# Altium PCB qfc.PcbDoc (part 10 of 13) (continued)
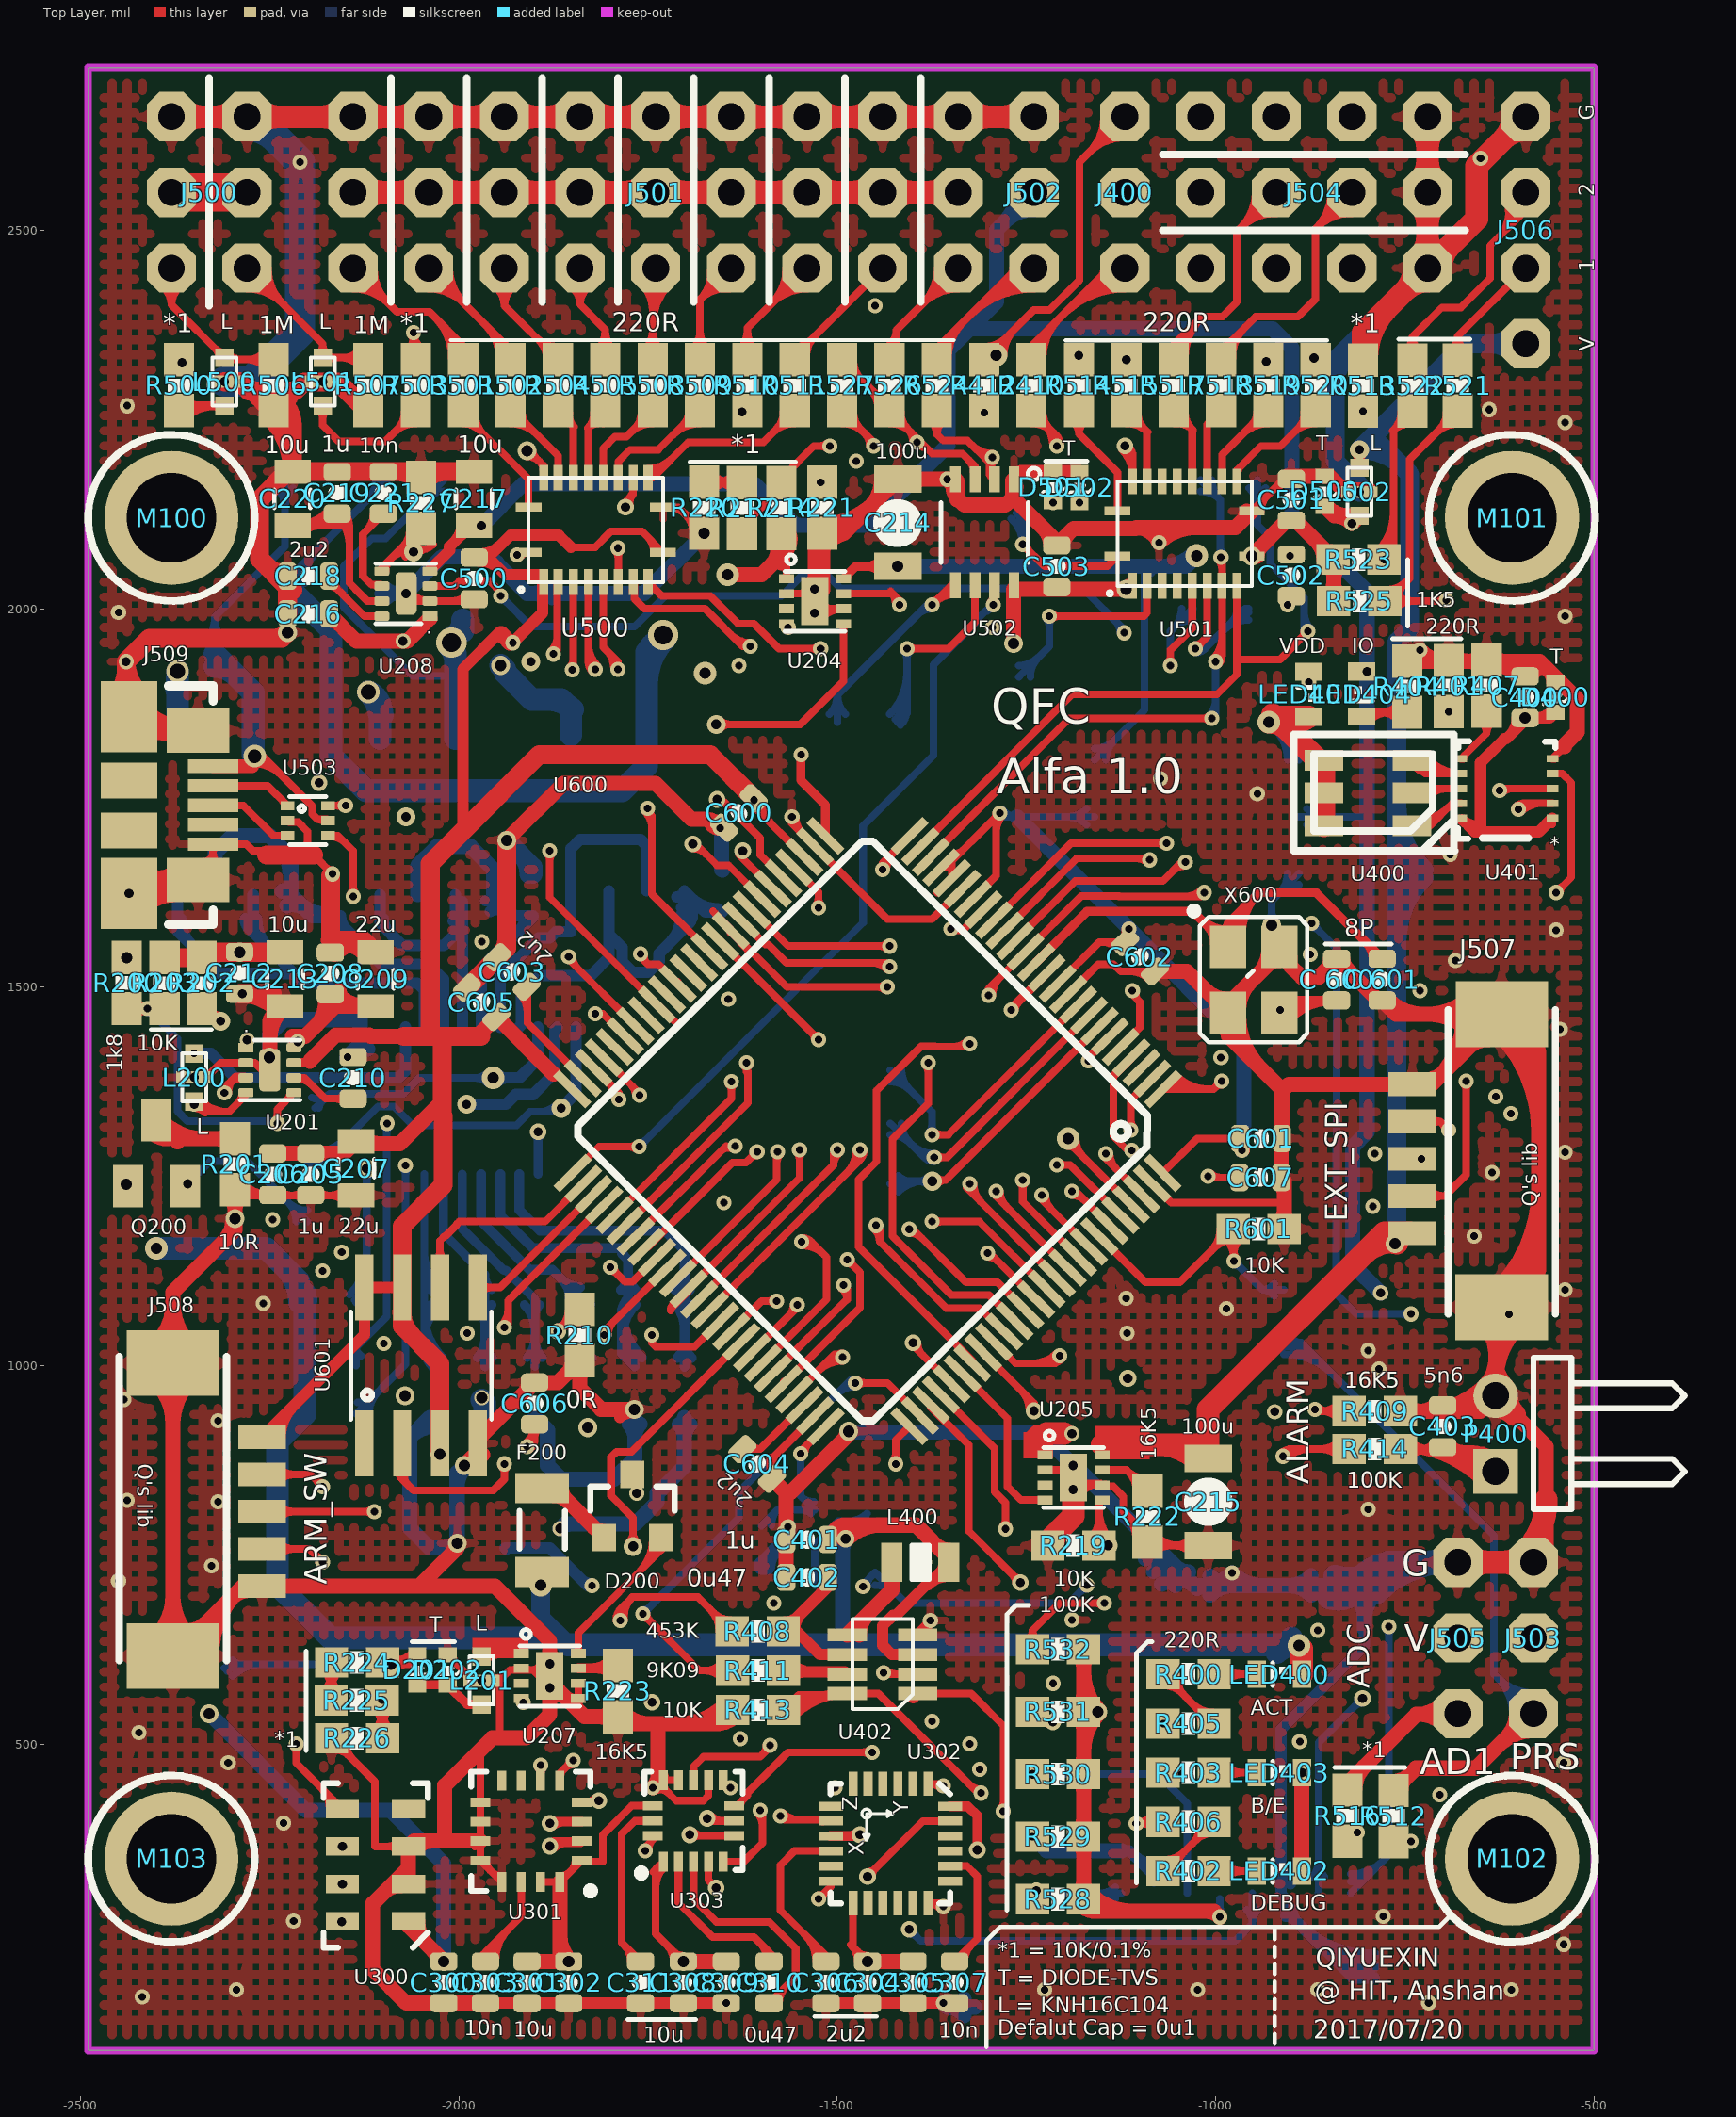
[diagram p0: Top Layer view]
## Nets (pads, with @x,y where several pads share a name; then routed paths per layer and width w, separated by ;. In a path a pad name is that pad's centre, name@x,y a point inside that pad or via, vN(x,y) a via of type N, cw(c..) or ccw(c..) an arc to the next point about the centre after c; other vN are vias at no path point) (continued)
  Mid-Layer 1 w10: v1(-1190,1230) -1170,1210 v1(-792,1210) ; v1(-695,2011) v1@-691,2007 ; v1@-1190,1225 cw(c-1190,1212.93) -1181.46,1221.46 ; v1@-1190,1225 cw(c-1190,1212.93) -1181.46,1221.46 ; v1@-1190,1225 cw(c-1190,1212.93) -1181.46,1221.46 ; v1@-1190,1225 cw(c-1190,1212.93) -1181.46,1221.46 ; v1@-1185,1230 ccw(c-1172.93,1230) -1181.46,1221.46 ; v1@-1185,1230 ccw(c-1172.93,1230) -1181.46,1221.46 ; v1@-1185,1230 ccw(c-1172.93,1230) -1181.46,1221.46 ; v1@-1185,1230 ccw(c-1172.93,1230) -1181.46,1221.46 ; -804.07,1210 cw(c-804.07,1197.93) v1@-795.54,1206.46 ; -804.07,1210 ccw(c-804.07,1222.07) v1@-795.54,1213.54 ; -804.07,1210 cw(c-804.07,1197.93) v1@-795.54,1206.46 ; -804.07,1210 ccw(c-804.07,1222.07) v1@-795.54,1213.54 ; -804.07,1210 cw(c-804.07,1197.93) v1@-795.54,1206.46 ; -804.07,1210 ccw(c-804.07,1222.07) v1@-795.54,1213.54 ; -804.07,1210 cw(c-804.07,1197.93) v1@-795.54,1206.46 ; -804.07,1210 ccw(c-804.07,1222.07) v1@-795.54,1213.54
  Mid-Layer 2 w10: v1(-792,1210) -758,1244 -758,1868.46 -695,1931.46 v1(-695,2011) ; v1@-792,1215 ccw(c-792,1227.07) -783.46,1218.54 ; v1@-792,1215 ccw(c-792,1227.07) -783.46,1218.54 ; v1@-792,1215 ccw(c-792,1227.07) -783.46,1218.54 ; v1@-792,1215 ccw(c-792,1227.07) -783.46,1218.54 ; v1@-787,1210 cw(c-774.93,1210) -783.46,1218.54 ; v1@-787,1210 cw(c-774.93,1210) -783.46,1218.54 ; v1@-787,1210 cw(c-774.93,1210) -783.46,1218.54 ; v1@-787,1210 cw(c-774.93,1210) -783.46,1218.54 ; v1@-698.54,2007.46 cw(c-707.07,1998.93) -695,1998.93 ; v1@-698.54,2007.46 cw(c-707.07,1998.93) -695,1998.93 ; v1@-698.54,2007.46 cw(c-707.07,1998.93) -695,1998.93 ; v1@-698.54,2007.46 cw(c-707.07,1998.93) -695,1998.93 ; -695,1998.93 cw(c-682.93,1998.93) v1@-691.46,2007.46 ; -695,1998.93 cw(c-682.93,1998.93) v1@-691.46,2007.46 ; -695,1998.93 cw(c-682.93,1998.93) v1@-691.46,2007.46 ; -695,1998.93 cw(c-682.93,1998.93) v1@-691.46,2007.46
NetR522_2: R522.2 R523.1 U600.96 | length 2629.3
  Top Layer w10: v1(-1210,1265) -1192.29,1265 U600.96@-1125.91,1198.62 ; v1(-777.54,2065) -765,2077.54 -765,2236 R522.2@-740,2261 ; v1@-1206.46,1261.46 cw(c-1197.93,1252.93) -1197.93,1265 ; v1@-1206.46,1261.46 cw(c-1197.93,1252.93) -1197.93,1265 ; v1@-1206.46,1261.46 cw(c-1197.93,1252.93) -1197.93,1265 ; v1@-1206.46,1261.46 cw(c-1197.93,1252.93) -1197.93,1265 ; v1@-1206.46,1268.54 ccw(c-1197.93,1277.07) -1197.93,1265 ; v1@-1206.46,1268.54 ccw(c-1197.93,1277.07) -1197.93,1265 ; v1@-1206.46,1268.54 ccw(c-1197.93,1277.07) -1197.93,1265 ; v1@-1206.46,1268.54 ccw(c-1197.93,1277.07) -1197.93,1265 ; R523.1@-786.14,2075.61 ccw(c-837.18,2126.65) -765,2126.65 ; R523.1@-786.14,2075.61 ccw(c-837.18,2126.65) -765,2126.65 ; R523.1@-786.14,2075.61 ccw(c-837.18,2126.65) -765,2126.65 ; R523.1@-786.14,2075.61 ccw(c-837.18,2126.65) -765,2126.65 ; R523.1@-779.07,2068.54 ccw(c-813.04,2102.51) -765,2102.51 ; R523.1@-779.07,2068.54 ccw(c-813.04,2102.51) -765,2102.51 ; R523.1@-779.07,2068.54 ccw(c-813.04,2102.51) -765,2102.51 ; R523.1@-779.07,2068.54 ccw(c-813.04,2102.51) -765,2102.51 ; R523.1@-777.54,2070 ccw(c-777.54,2082.07) R523.1@-769,2073.54 ; R523.1@-777.54,2070 ccw(c-777.54,2082.07) R523.1@-769,2073.54 ; R523.1@-777.54,2070 ccw(c-777.54,2082.07) R523.1@-769,2073.54 ; R523.1@-772.54,2065 cw(c-760.46,2065) R523.1@-769,2073.54 ; R523.1@-772.54,2065 cw(c-760.46,2065) R523.1@-769,2073.54 ; R523.1@-772.54,2065 cw(c-760.46,2065) R523.1@-769,2073.54 ; -766,2235 cw(c-743.88,2212.88) R522.2@-741.26,2244.05 ; -766,2235 cw(c-743.88,2212.88) R522.2@-741.26,2244.05 ; -766,2235 cw(c-743.88,2212.88) R522.2@-741.26,2244.05 ; -766,2235 cw(c-743.88,2212.88) R522.2@-741.26,2244.05 ; -764.19,2236.81 ccw(c-786.38,2259) R522.2@-755,2259 ; -764.19,2236.81 ccw(c-786.38,2259) R522.2@-755,2259 ; -764.19,2236.81 ccw(c-786.38,2259) R522.2@-755,2259 ; -764.19,2236.81 ccw(c-786.38,2259) R522.2@-755,2259
  Mid-Layer 1 w10: v1(-1210,1265) -1202.85,1257.85 -1082.15,1257.85 -1052.3,1228 -842,1228 v1(-790,1280) ; v1@-1206.46,1268.54 ccw(c-1180.67,1294.33) -1180.67,1257.85 ; v1@-1206.46,1268.54 ccw(c-1180.67,1294.33) -1180.67,1257.85 ; v1@-1206.46,1268.54 ccw(c-1180.67,1294.33) -1180.67,1257.85 ; v1@-1206.46,1268.54 ccw(c-1180.67,1294.33) -1180.67,1257.85 ; -798.54,1271.46 cw(c-790,1262.93) v1@-790,1275 ; -798.54,1271.46 ccw(c-807.07,1280) v1@-795,1280 ; -798.54,1271.46 cw(c-790,1262.93) v1@-790,1275 ; -798.54,1271.46 ccw(c-807.07,1280) v1@-795,1280 ; -798.54,1271.46 cw(c-790,1262.93) v1@-790,1275 ; -798.54,1271.46 ccw(c-807.07,1280) v1@-795,1280 ; -798.54,1271.46 cw(c-790,1262.93) v1@-790,1275 ; -798.54,1271.46 ccw(c-807.07,1280) v1@-795,1280
  Mid-Layer 2 w10: v1(-790,1280) -790,1895.89 -778,1907.89 -778,1926.11 -790,1938.11 -790,2047.46 -775,2062.46 v1(-777.54,2065) ; v1@-793.54,1283.54 ccw(c-802.07,1292.07) -790,1292.07 ; v1@-793.54,1283.54 ccw(c-802.07,1292.07) -790,1292.07 ; v1@-793.54,1283.54 ccw(c-802.07,1292.07) -790,1292.07 ; v1@-793.54,1283.54 ccw(c-802.07,1292.07) -790,1292.07 ; -790,1292.07 ccw(c-777.93,1292.07) v1@-786.46,1283.54 ; -790,1292.07 ccw(c-777.93,1292.07) v1@-786.46,1283.54 ; -790,1292.07 ccw(c-777.93,1292.07) v1@-786.46,1283.54 ; -790,1292.07 ccw(c-777.93,1292.07) v1@-786.46,1283.54 ; -787.46,2050 ccw(c-799.76,2062.3) v1@-782.5,2064.4 ; -787.46,2050 ccw(c-799.76,2062.3) v1@-782.5,2064.4 ; -787.46,2050 ccw(c-799.76,2062.3) v1@-782.5,2064.4 ; -787.46,2050 ccw(c-799.76,2062.3) v1@-782.5,2064.4
NetR527_1: R527.1 U600.64 | length 1997.5
  Top Layer w10: U600.64@-1668.6,1073.12 -1470,1271.72 v1(-1470,1285) ; R527.1@-1493.71,2261.54 -1452,2219.83 v1(-1452,2215.04) ; R527.1@-1493.71,2244.54 cw(c-1493.71,2203.5) -1464.68,2232.52 ; R527.1@-1493.71,2244.54 cw(c-1493.71,2203.5) -1464.68,2232.52 ; R527.1@-1493.71,2244.54 cw(c-1493.71,2203.5) -1464.68,2232.52 ; R527.1@-1493.71,2244.54 cw(c-1493.71,2203.5) -1464.68,2232.52 ; -1487.93,1253.79 ccw(c-1519.14,1285) v1@-1475,1285 ; -1487.93,1253.79 ccw(c-1519.14,1285) v1@-1475,1285 ; -1487.93,1253.79 ccw(c-1519.14,1285) v1@-1475,1285 ; -1487.93,1253.79 ccw(c-1519.14,1285) v1@-1475,1285 ; R527.1@-1478.71,2259.54 ccw(c-1447.32,2259.54) -1469.51,2237.34 ; R527.1@-1478.71,2259.54 ccw(c-1447.32,2259.54) -1469.51,2237.34 ; R527.1@-1478.71,2259.54 ccw(c-1447.32,2259.54) -1469.51,2237.34 ; R527.1@-1478.71,2259.54 ccw(c-1447.32,2259.54) -1469.51,2237.34 ; v1@-1473.54,1281.46 cw(c-1482.07,1272.93) -1470,1272.93 ; v1@-1473.54,1281.46 cw(c-1482.07,1272.93) -1470,1272.93 ; v1@-1473.54,1281.46 cw(c-1482.07,1272.93) -1470,1272.93 ; -1470.86,1270.86 ccw(c-1485,1285) v1@-1465,1285 ; -1470.86,1270.86 ccw(c-1485,1285) v1@-1465,1285 ; -1470.86,1270.86 ccw(c-1485,1285) v1@-1465,1285 ; -1470.86,1270.86 ccw(c-1485,1285) v1@-1465,1285 ; -1470,1272.93 cw(c-1457.93,1272.93) v1@-1466.46,1281.46 ; -1470,1272.93 cw(c-1457.93,1272.93) v1@-1466.46,1281.46 ; -1470,1272.93 cw(c-1457.93,1272.93) v1@-1466.46,1281.46 ; -1463.92,2231.76 cw(c-1480.64,2215.04) v1@-1457,2215.04 ; -1463.92,2231.76 cw(c-1480.64,2215.04) v1@-1457,2215.04 ; -1463.92,2231.76 cw(c-1480.64,2215.04) v1@-1457,2215.04 ; -1463.92,2231.76 cw(c-1480.64,2215.04) v1@-1457,2215.04
  Mid-Layer 2 w10: v1(-1470,1285) -1466,1289 -1466,2159 -1450,2175 -1450,2213.04 v1(-1452,2215.04) ; v1@-1473.54,1288.54 ccw(c-1491.73,1306.73) -1466,1306.73 ; v1@-1473.54,1288.54 ccw(c-1491.73,1306.73) -1466,1306.73 ; v1@-1473.54,1288.54 ccw(c-1491.73,1306.73) -1466,1306.73 ; v1@-1473.54,1288.54 ccw(c-1491.73,1306.73) -1466,1306.73 ; v1@-1455.54,2211.51 cw(c-1468.9,2198.14) -1450,2198.14 ; v1@-1455.54,2211.51 cw(c-1468.9,2198.14) -1450,2198.14 ; v1@-1455.54,2211.51 cw(c-1468.9,2198.14) -1450,2198.14 ; v1@-1455.54,2211.51 cw(c-1468.9,2198.14) -1450,2198.14
NetR528_1: R528.1 U504.1 U600.78 | length 1268.9
  Top Layer w10: U600.78@-1376.56,947.96 -1376.56,945.13 -1326.6,895.17 -1326.6,781.6 v2(-1258,713) ; U600.78@-1358.59,930.99 ccw(c-1349.35,930.99) -1355.88,924.46 ; U600.78@-1358.59,930.99 ccw(c-1349.35,930.99) -1355.88,924.46 ; U600.78@-1358.59,930.99 ccw(c-1349.35,930.99) -1355.88,924.46 ; U600.78@-1358.59,930.99 ccw(c-1349.35,930.99) -1355.88,924.46 ; -1268.24,723.24 cw(c-1278.49,713) v2@-1264,713 ; -1268.24,723.24 ccw(c-1258,733.49) v2@-1258,719 ; -1268.24,723.24 cw(c-1278.49,713) v2@-1264,713 ; -1268.24,723.24 ccw(c-1258,733.49) v2@-1258,719 ; -1268.24,723.24 cw(c-1278.49,713) v2@-1264,713 ; -1268.24,723.24 ccw(c-1258,733.49) v2@-1258,719
  Mid-Layer 2 w10: v2@-1264.97,710 -1264.97,450.47 -1217,402.5 -1217,326 v2(-1237,306) ; -1264.97,681.69 cw(c-1226.69,681.69) v2@-1253.76,708.76 ; -1264.97,681.69 cw(c-1226.69,681.69) v2@-1253.76,708.76 ; -1264.97,681.69 cw(c-1226.69,681.69) v2@-1253.76,708.76 ; v2@-1237,312 ccw(c-1237,326.49) -1226.76,316.24 ; v2@-1237,312 ccw(c-1237,326.49) -1226.76,316.24 ; v2@-1237,312 ccw(c-1237,326.49) -1226.76,316.24 ; v2@-1231,306 cw(c-1216.51,306) -1226.76,316.24 ; v2@-1231,306 cw(c-1216.51,306) -1226.76,316.24 ; v2@-1231,306 cw(c-1216.51,306) -1226.76,316.24
  Bottom Layer w10: v2(-1237,306) -1234,303 U504.1@-1124.69,303 ; v2@-1232.76,310.24 ccw(c-1215.27,327.73) -1215.27,303 ; v2@-1232.76,310.24 ccw(c-1215.27,327.73) -1215.27,303 ; v2@-1232.76,310.24 ccw(c-1215.27,327.73) -1215.27,303 ; -1151.25,303 cw(c-1151.25,276.44) U504.1@-1132.47,295.22 ; -1151.25,303 ccw(c-1151.25,329.56) U504.1@-1132.47,310.78 ; -1151.25,303 cw(c-1151.25,276.44) U504.1@-1132.47,295.22 ; -1151.25,303 ccw(c-1151.25,329.56) U504.1@-1132.47,310.78 ; -1151.25,303 cw(c-1151.25,276.44) U504.1@-1132.47,295.22 ; -1151.25,303 ccw(c-1151.25,329.56) U504.1@-1132.47,310.78
NetR529_1: R529.1 U504.2 U600.79 | length 1143.4
  Top Layer w10: U600.79@-1363.13,961.4 -1292,890.27 -1292,832.96 -1277.66,818.62 v1(-1277.66,784.16) ; v1@-1281.2,787.69 ccw(c-1289.73,796.23) -1277.66,796.23 ; v1@-1281.2,787.69 ccw(c-1289.73,796.23) -1277.66,796.23 ; v1@-1281.2,787.69 ccw(c-1289.73,796.23) -1277.66,796.23 ; v1@-1281.2,787.69 ccw(c-1289.73,796.23) -1277.66,796.23 ; -1277.66,796.23 ccw(c-1265.59,796.23) v1@-1274.13,787.69 ; -1277.66,796.23 ccw(c-1265.59,796.23) v1@-1274.13,787.69 ; -1277.66,796.23 ccw(c-1265.59,796.23) v1@-1274.13,787.69 ; -1277.66,796.23 ccw(c-1265.59,796.23) v1@-1274.13,787.69
  Mid-Layer 2 w10: v1@-1281.97,779.85 -1281.97,443.43 -1241.97,403.43 v1(-1241.97,377.5) ; -1281.97,761.69 cw(c-1255.19,761.69) v1@-1274.13,780.62 ; -1281.97,761.69 cw(c-1255.19,761.69) v1@-1274.13,780.62 ; -1281.97,761.69 cw(c-1255.19,761.69) v1@-1274.13,780.62 ; -1281.97,761.69 cw(c-1255.19,761.69) v1@-1274.13,780.62 ; v1@-1245.5,381.03 ccw(c-1254.04,389.57) -1241.97,389.57 ; v1@-1245.5,381.03 ccw(c-1254.04,389.57) -1241.97,389.57 ; v1@-1245.5,381.03 ccw(c-1254.04,389.57) -1241.97,389.57 ; v1@-1245.5,381.03 ccw(c-1254.04,389.57) -1241.97,389.57 ; -1241.97,389.57 ccw(c-1229.9,389.57) v1@-1238.43,381.03 ; -1241.97,389.57 ccw(c-1229.9,389.57) v1@-1238.43,381.03 ; -1241.97,389.57 ccw(c-1229.9,389.57) v1@-1238.43,381.03 ; -1241.97,389.57 ccw(c-1229.9,389.57) v1@-1238.43,381.03
  Bottom Layer w15: -1124,359 -1114.19,359 -1081.39,326.2 U504.2@-1081.39,319 ; -1107.51,352.32 ccw(c-1081.39,378.44) U504.2@-1081.39,341.5 ; -1107.51,352.32 ccw(c-1081.39,378.44) U504.2@-1081.39,341.5 ; -1107.51,352.32 ccw(c-1081.39,378.44) U504.2@-1081.39,341.5
  Bottom Layer w20: v1(-1241.97,377.5) -1223.47,359 -1124,359
NetR530_1: R530.1 U504.3 U600.83 | length 1537.5
  Top Layer w10: U600.83@-1307.26,1017.26 v2@-1240,949.99 ; -1257.31,967.3 cw(c-1284.61,940) v2@-1246,940 ; -1257.31,967.3 cw(c-1284.61,940) v2@-1246,940 ; -1257.31,967.3 cw(c-1284.61,940) v2@-1246,940 ; -1257.31,967.3 cw(c-1284.61,940) v2@-1246,940
  Mid-Layer 2 w10: v2(-1241.97,460) -1237.68,464.29 -1237.68,516.25 -1238,516.57 -1238,588.11 -1232,594.11 -1232,932 v2(-1240,940) ; v2@-1246.21,464.24 ccw(c-1266.8,484.83) -1237.68,484.83 ; v2@-1246.21,464.24 ccw(c-1266.8,484.83) -1237.68,484.83 ; v2@-1246.21,464.24 ccw(c-1266.8,484.83) -1237.68,484.83 ; v2@-1246.21,464.24 ccw(c-1266.8,484.83) -1237.68,484.83 ; v2@-1244.24,935.76 cw(c-1273.8,906.2) -1232,906.2 ; v2@-1244.24,935.76 cw(c-1273.8,906.2) -1232,906.2 ; v2@-1244.24,935.76 cw(c-1273.8,906.2) -1232,906.2 ; v2@-1244.24,935.76 cw(c-1273.8,906.2) -1232,906.2 ; v2@-1237.17,942.83 cw(c-1249.66,930.34) -1232,930.34 ; v2@-1237.17,942.83 cw(c-1249.66,930.34) -1232,930.34 ; v2@-1237.17,942.83 cw(c-1249.66,930.34) -1232,930.34 ; v2@-1237.17,942.83 cw(c-1249.66,930.34) -1232,930.34
  Bottom Layer w10: v2(-1241.97,460) -1076.11,460 -1037.32,421.2 U504.3@-1037.32,303 ; v2@-1237.73,455.76 cw(c-1227.48,445.51) -1227.48,460 ; v2@-1237.73,455.76 cw(c-1227.48,445.51) -1227.48,460 ; v2@-1237.73,455.76 cw(c-1227.48,445.51) -1227.48,460 ; v2@-1237.73,455.76 cw(c-1227.48,445.51) -1227.48,460 ; v2@-1237.73,464.24 ccw(c-1227.48,474.48) -1227.48,460 ; v2@-1237.73,464.24 ccw(c-1227.48,474.48) -1227.48,460 ; v2@-1237.73,464.24 ccw(c-1227.48,474.48) -1227.48,460 ; v2@-1237.73,464.24 ccw(c-1227.48,474.48) -1227.48,460 ; U504.3@-1045.09,324.78 ccw(c-1063.87,343.56) -1037.32,343.56 ; U504.3@-1045.09,324.78 ccw(c-1063.87,343.56) -1037.32,343.56 ; U504.3@-1045.09,324.78 ccw(c-1063.87,343.56) -1037.32,343.56 ; -1037.32,343.56 ccw(c-1010.76,343.56) U504.3@-1029.54,324.78 ; -1037.32,343.56 ccw(c-1010.76,343.56) U504.3@-1029.54,324.78 ; -1037.32,343.56 ccw(c-1010.76,343.56) U504.3@-1029.54,324.78
NetR531_1: R531.1 U504.7 U600.65 | length 2969.3
  Top Layer w10: -1745,1030 -1740,1025 -1688.43,1025 U600.65@-1654.45,1058.98 ; R531.1@-1241.97,542.5 -1257.5,542.5 -1244,529 v2(-1215,529) ; R531.1@-1229.49,529 cw(c-1229.49,514.51) v2@-1219.24,524.76 ; R531.1@-1229.49,529 ccw(c-1229.49,543.49) v2@-1219.24,533.24 ; R531.1@-1229.49,529 cw(c-1229.49,514.51) v2@-1219.24,524.76 ; R531.1@-1229.49,529 ccw(c-1229.49,543.49) v2@-1219.24,533.24 ; R531.1@-1229.49,529 cw(c-1229.49,514.51) v2@-1219.24,524.76 ; R531.1@-1229.49,529 ccw(c-1229.49,543.49) v2@-1219.24,533.24 ; R531.1@-1229.49,529 cw(c-1229.49,514.51) v2@-1219.24,524.76 ; R531.1@-1229.49,529 ccw(c-1229.49,543.49) v2@-1219.24,533.24
  Mid-Layer 1 w10: v2(-1745,555) -1313,555 -1307.61,549.61 -1235.61,549.61 ; v2(-1215,529) -1235.61,549.61 ; v2@-813,567 -1165.65,567 -1183.04,549.61 -1235.61,549.61 ; v2@-1740.76,550.76 cw(c-1730.51,540.51) -1730.51,555 ; v2@-1740.76,550.76 cw(c-1730.51,540.51) -1730.51,555 ; v2@-1740.76,550.76 cw(c-1730.51,540.51) -1730.51,555 ; v2@-1740.76,550.76 cw(c-1730.51,540.51) -1730.51,555 ; v2@-1740.76,559.24 ccw(c-1730.51,569.49) -1730.51,555 ; v2@-1740.76,559.24 ccw(c-1730.51,569.49) -1730.51,555 ; v2@-1740.76,559.24 ccw(c-1730.51,569.49) -1730.51,555 ; v2@-1740.76,559.24 ccw(c-1730.51,569.49) -1730.51,555 ; -1225.24,539.24 cw(c-1235.49,529) v2@-1221,529 ; -1225.24,539.24 ccw(c-1215,549.49) v2@-1215,535 ; -1225.24,539.24 cw(c-1235.49,529) v2@-1221,529 ; -1225.24,539.24 ccw(c-1215,549.49) v2@-1215,535 ; -1225.24,539.24 cw(c-1235.49,529) v2@-1221,529 ; -1225.24,539.24 ccw(c-1215,549.49) v2@-1215,535 ; -1225.24,539.24 cw(c-1235.49,529) v2@-1221,529 ; -1225.24,539.24 ccw(c-1215,549.49) v2@-1215,535 ; -837.38,567 cw(c-837.38,528.62) v2@-810.24,555.76 ; -837.38,567 cw(c-837.38,528.62) v2@-810.24,555.76 ; -837.38,567 cw(c-837.38,528.62) v2@-810.24,555.76 ; -837.38,567 cw(c-837.38,528.62) v2@-810.24,555.76
  Mid-Layer 2 w10: v2(-1745,555) -1735,565 -1735,1030 v1(-1745,1040) ; v2@-1749.24,559.24 ccw(c-1783.63,593.63) -1735,593.63 ; v2@-1749.24,559.24 ccw(c-1783.63,593.63) -1735,593.63 ; v2@-1749.24,559.24 ccw(c-1783.63,593.63) -1735,593.63 ; v2@-1749.24,559.24 ccw(c-1783.63,593.63) -1735,593.63 ; v1@-1748.54,1036.46 cw(c-1781.21,1003.79) -1735,1003.79 ; v1@-1748.54,1036.46 cw(c-1781.21,1003.79) -1735,1003.79 ; v1@-1748.54,1036.46 cw(c-1781.21,1003.79) -1735,1003.79 ; v1@-1748.54,1036.46 cw(c-1781.21,1003.79) -1735,1003.79 ; v2@-1742.17,552.17 ccw(c-1759.49,569.49) -1735,569.49 ; v2@-1742.17,552.17 ccw(c-1759.49,569.49) -1735,569.49 ; v2@-1742.17,552.17 ccw(c-1759.49,569.49) -1735,569.49 ; v2@-1742.17,552.17 ccw(c-1759.49,569.49) -1735,569.49 ; v1@-1741.46,1043.54 cw(c-1757.07,1027.93) -1735,1027.93 ; v1@-1741.46,1043.54 cw(c-1757.07,1027.93) -1735,1027.93 ; v1@-1741.46,1043.54 cw(c-1757.07,1027.93) -1735,1027.93 ; v1@-1741.46,1043.54 cw(c-1757.07,1027.93) -1735,1027.93
  Bottom Layer w10: U504.7@-864.32,303 -864,303.32 -864,502 v2(-806,560) ; U504.7@-872.09,324.78 ccw(c-891.64,344.32) -864,344.32 ; U504.7@-872.09,324.78 ccw(c-891.64,344.32) -864,344.32 ; U504.7@-872.09,324.78 ccw(c-891.64,344.32) -864,344.32 ; -864,342.79 ccw(c-838.52,342.79) U504.7@-856.54,324.78 ; -864,342.79 ccw(c-838.52,342.79) U504.7@-856.54,324.78 ; -864,342.79 ccw(c-838.52,342.79) U504.7@-856.54,324.78 ; -816.24,549.76 cw(c-806,539.51) v2@-806,554 ; -816.24,549.76 ccw(c-826.49,560) v2@-812,560 ; -816.24,549.76 cw(c-806,539.51) v2@-806,554 ; -816.24,549.76 ccw(c-826.49,560) v2@-812,560 ; -816.24,549.76 cw(c-806,539.51) v2@-806,554 ; -816.24,549.76 ccw(c-826.49,560) v2@-812,560 ; -816.24,549.76 cw(c-806,539.51) v2@-806,554 ; -816.24,549.76 ccw(c-826.49,560) v2@-812,560
NetR532_1: R532.1 U504.8 U600.66 | length 2879.1
  Top Layer w10: U600.66@-1640.31,1044.84 -1600.15,1085 v1(-1580,1085) ; R532.1@-1240,626.97 R532.1@-1241.97,625 -1241.97,650.03 ; v1(-1147,686) -1206,686 -1241.97,650.03 ; -1592.07,1085 cw(c-1592.07,1072.93) v1@-1583.54,1081.46 ; -1592.07,1085 ccw(c-1592.07,1097.07) v1@-1583.54,1088.54 ; -1592.07,1085 cw(c-1592.07,1072.93) v1@-1583.54,1081.46 ; -1592.07,1085 ccw(c-1592.07,1097.07) v1@-1583.54,1088.54 ; -1592.07,1085 cw(c-1592.07,1072.93) v1@-1583.54,1081.46 ; -1592.07,1085 ccw(c-1592.07,1097.07) v1@-1583.54,1088.54 ; -1592.07,1085 cw(c-1592.07,1072.93) v1@-1583.54,1081.46 ; -1592.07,1085 ccw(c-1592.07,1097.07) v1@-1583.54,1088.54 ; R532.1@-1249.04,638.23 ccw(c-1255.35,650.03) -1241.97,650.03 ; R532.1@-1249.04,638.23 ccw(c-1255.35,650.03) -1241.97,650.03 ; R532.1@-1249.04,638.23 ccw(c-1255.35,650.03) -1241.97,650.03 ; R532.1@-1249.04,638.23 ccw(c-1255.35,650.03) -1241.97,650.03 ; -1241.97,650.03 ccw(c-1228.58,650.03) R532.1@-1234.89,638.23 ; -1241.97,650.03 ccw(c-1228.58,650.03) R532.1@-1234.89,638.23 ; -1241.97,650.03 ccw(c-1228.58,650.03) R532.1@-1234.89,638.23 ; -1241.97,650.03 ccw(c-1228.58,650.03) R532.1@-1234.89,638.23 ; -1159.07,686 cw(c-1159.07,673.93) v1@-1150.54,682.46 ; -1159.07,686 ccw(c-1159.07,698.07) v1@-1150.54,689.54 ; -1159.07,686 cw(c-1159.07,673.93) v1@-1150.54,682.46 ; -1159.07,686 ccw(c-1159.07,698.07) v1@-1150.54,689.54 ; -1159.07,686 cw(c-1159.07,673.93) v1@-1150.54,682.46 ; -1159.07,686 ccw(c-1159.07,698.07) v1@-1150.54,689.54 ; -1159.07,686 cw(c-1159.07,673.93) v1@-1150.54,682.46 ; -1159.07,686 ccw(c-1159.07,698.07) v1@-1150.54,689.54
  Mid-Layer 1 w10: v1(-1584,685.91) -1270.91,685.91 -1270.83,686 v1(-1147,686) -802,686 v1(-771,655) ; v1@-1580.46,682.38 cw(c-1571.93,673.84) -1571.93,685.91 ; v1@-1580.46,682.38 cw(c-1571.93,673.84) -1571.93,685.91 ; v1@-1580.46,682.38 cw(c-1571.93,673.84) -1571.93,685.91 ; v1@-1580.46,682.38 cw(c-1571.93,673.84) -1571.93,685.91 ; v1@-1580.46,689.45 ccw(c-1571.93,697.99) -1571.93,685.91 ; v1@-1580.46,689.45 ccw(c-1571.93,697.99) -1571.93,685.91 ; v1@-1580.46,689.45 ccw(c-1571.93,697.99) -1571.93,685.91 ; v1@-1580.46,689.45 ccw(c-1571.93,697.99) -1571.93,685.91 ; -1159.07,686 cw(c-1159.07,673.93) v1@-1150.54,682.46 ; -1159.07,686 ccw(c-1159.07,698.07) v1@-1150.54,689.54 ; -1159.07,686 cw(c-1159.07,673.93) v1@-1150.54,682.46 ; -1159.07,686 ccw(c-1159.07,698.07) v1@-1150.54,689.54 ; -1159.07,686 cw(c-1159.07,673.93) v1@-1150.54,682.46 ; -1159.07,686 ccw(c-1159.07,698.07) v1@-1150.54,689.54 ; -1159.07,686 cw(c-1159.07,673.93) v1@-1150.54,682.46 ; -1159.07,686 ccw(c-1159.07,698.07) v1@-1150.54,689.54 ; v1@-1143.46,682.46 cw(c-1134.93,673.93) -1134.93,686 ; v1@-1143.46,682.46 cw(c-1134.93,673.93) -1134.93,686 ; v1@-1143.46,682.46 cw(c-1134.93,673.93) -1134.93,686 ; v1@-1143.46,682.46 cw(c-1134.93,673.93) -1134.93,686 ; v1@-1143.46,689.54 ccw(c-1134.93,698.07) -1134.93,686 ; v1@-1143.46,689.54 ccw(c-1134.93,698.07) -1134.93,686 ; v1@-1143.46,689.54 ccw(c-1134.93,698.07) -1134.93,686 ; v1@-1143.46,689.54 ccw(c-1134.93,698.07) -1134.93,686 ; -779.54,663.54 cw(c-788.07,655) v1@-776,655 ; -779.54,663.54 ccw(c-771,672.07) v1@-771,660 ; -779.54,663.54 cw(c-788.07,655) v1@-776,655 ; -779.54,663.54 ccw(c-771,672.07) v1@-771,660 ; -779.54,663.54 cw(c-788.07,655) v1@-776,655 ; -779.54,663.54 ccw(c-771,672.07) v1@-771,660 ; -779.54,663.54 cw(c-788.07,655) v1@-776,655 ; -779.54,663.54 ccw(c-771,672.07) v1@-771,660
  Mid-Layer 2 w10: v1@-1580,685.91 -1580,685 -1580.91,685.91 v1(-1584,685.91) -1587,688.91 -1587,1078 v1(-1580,1085) ; -1587,705.23 ccw(c-1564.69,705.23) v1@-1580.46,689.45 ; -1587,705.23 ccw(c-1564.69,705.23) v1@-1580.46,689.45 ; -1587,705.23 ccw(c-1564.69,705.23) v1@-1580.46,689.45 ; -1587,705.23 ccw(c-1564.69,705.23) v1@-1580.46,689.45 ; -1587,1056.03 cw(c-1551.03,1056.03) v1@-1576.46,1081.46 ; -1587,1056.03 cw(c-1551.03,1056.03) v1@-1576.46,1081.46 ; -1587,1056.03 cw(c-1551.03,1056.03) v1@-1576.46,1081.46 ; -1587,1056.03 cw(c-1551.03,1056.03) v1@-1576.46,1081.46
  Bottom Layer w10: U504.8@-821.32,303 -771.32,353 -771.32,654.68 v1(-771,655) ; U504.8@-821.32,318 ccw(c-821.32,354.21) -795.71,328.61 ; U504.8@-821.32,318 ccw(c-821.32,354.21) -795.71,328.61 ; U504.8@-821.32,318 ccw(c-821.32,354.21) -795.71,328.61 ; U504.8@-821.32,328 ccw(c-821.32,388.35) -778.64,345.68 ; U504.8@-821.32,328 ccw(c-821.32,388.35) -778.64,345.68 ; U504.8@-821.32,328 ccw(c-821.32,388.35) -778.64,345.68 ; v1@-774.54,651.46 cw(c-782.31,643.69) -771.32,643.69 ; v1@-774.54,651.46 cw(c-782.31,643.69) -771.32,643.69 ; v1@-774.54,651.46 cw(c-782.31,643.69) -771.32,643.69 ; v1@-774.54,651.46 cw(c-782.31,643.69) -771.32,643.69 ; -771.32,642.17 cw(c-758.17,642.17) v1@-767.46,651.46 ; -771.32,642.17 cw(c-758.17,642.17) v1@-767.46,651.46 ; -771.32,642.17 cw(c-758.17,642.17) v1@-767.46,651.46 ; -771.32,642.17 cw(c-758.17,642.17) v1@-767.46,651.46
NetU200_2: U200.2 U200.4 U206.20 | length 463.3
  Bottom Layer w15: U206.20@-1945.5,1447 -1945.5,1514.15 -1894.94,1564.7 -1880.27,1564.7 -1871.97,1573 -1852,1573 U200.4@-1852,1627 -1852,1683 -1840,1695 -1760,1695 -1752,1687 U200.2@-1752,1627
NetU202_2: U202.2 U202.4 U206.18 | length 584
  Bottom Layer w15: U202.4@-2104.5,1622 -2104.5,1584.5 -2075,1555 -2020,1555 -2004.5,1570.5 U202.2@-2004.5,1622 ; U206.18@-1995.5,1447 U202.2@-1995.5,1613 ; U202.4@-2100,1590.5 ccw(c-2074.64,1590.5) -2092.57,1572.57 ; U202.4@-2100,1590.5 ccw(c-2074.64,1590.5) -2092.57,1572.57 ; U202.4@-2100,1590.5 ccw(c-2074.64,1590.5) -2092.57,1572.57 ; U202.4@-2100,1590.5 ccw(c-2074.64,1590.5) -2092.57,1572.57 ; U202.2@-2007.68,1587.32 cw(c-2037.09,1557.91) -1995.5,1557.91 ; U202.2@-2007.68,1587.32 cw(c-2037.09,1557.91) -1995.5,1557.91 ; U202.2@-2007.68,1587.32 cw(c-2037.09,1557.91) -1995.5,1557.91 ; U202.2@-2007.68,1587.32 cw(c-2037.09,1557.91) -1995.5,1557.91
NetU203_2: U203.2 U203.4 U206.16 | length 976.4
  Bottom Layer w15: U203.4@-2372,1622 -2372,1574 -2315.96,1517.96 -2217.96,1517.96 ; U203.2@-2272,1622 -2272,1572 -2217.96,1517.96 ; U206.16@-2045.5,1447 -2045.5,1495.5 -2055,1505 -2205,1505 -2217.96,1517.96 ; U203.4@-2367.5,1590.5 ccw(c-2316.79,1590.5) -2352.65,1554.65 ; U203.4@-2367.5,1590.5 ccw(c-2316.79,1590.5) -2352.65,1554.65 ; U203.4@-2367.5,1590.5 ccw(c-2316.79,1590.5) -2352.65,1554.65 ; U203.4@-2367.5,1590.5 ccw(c-2316.79,1590.5) -2352.65,1554.65 ; U203.2@-2282.5,1590.5 ccw(c-2263.18,1590.5) -2276.84,1576.84 ; U203.2@-2282.5,1590.5 ccw(c-2263.18,1590.5) -2276.84,1576.84 ; U203.2@-2282.5,1590.5 ccw(c-2263.18,1590.5) -2276.84,1576.84 ; U203.2@-2282.5,1590.5 ccw(c-2263.18,1590.5) -2276.84,1576.84 ; U203.2@-2267.5,1590.5 ccw(c-2211.97,1590.5) -2251.23,1551.23 ; U203.2@-2267.5,1590.5 ccw(c-2211.97,1590.5) -2251.23,1551.23 ; U203.2@-2267.5,1590.5 ccw(c-2211.97,1590.5) -2251.23,1551.23 ; U203.2@-2267.5,1590.5 ccw(c-2211.97,1590.5) -2251.23,1551.23
NetU204_4: U204.4 U600.82 | length 1794.4
  Top Layer w10: v1(-1325,1425) -1328.59,1421.41 -1370.29,1421.41 -1370.89,1422 -1389.11,1422 -1448,1363.11 -1448,1269.67 -1472,1245.67 -1472,1156.54 -1321.41,1005.94 U600.82@-1321.41,1003.12 ; -1345.75,1421.41 ccw(c-1345.75,1445.75) v1@-1328.54,1428.54 ; -1345.75,1421.41 ccw(c-1345.75,1445.75) v1@-1328.54,1428.54 ; -1345.75,1421.41 ccw(c-1345.75,1445.75) v1@-1328.54,1428.54 ; -1345.75,1421.41 ccw(c-1345.75,1445.75) v1@-1328.54,1428.54 ; -1342.08,1026.62 cw(c-1348.62,1020.09) U600.82@-1339.38,1020.09 ; -1342.08,1026.62 cw(c-1348.62,1020.09) U600.82@-1339.38,1020.09 ; -1342.08,1026.62 cw(c-1348.62,1020.09) U600.82@-1339.38,1020.09 ; -1342.08,1026.62 cw(c-1348.62,1020.09) U600.82@-1339.38,1020.09
  Mid-Layer 1 w10: v1(-1565,1975) -1563,1973 -1297,1973 v1(-1295,1975) ; v1@-1561.46,1978.54 ccw(c-1548.1,1991.9) -1548.1,1973 ; v1@-1561.46,1978.54 ccw(c-1548.1,1991.9) -1548.1,1973 ; v1@-1561.46,1978.54 ccw(c-1548.1,1991.9) -1548.1,1973 ; v1@-1561.46,1978.54 ccw(c-1548.1,1991.9) -1548.1,1973 ; -1311.9,1973 ccw(c-1311.9,1991.9) v1@-1298.54,1978.54 ; -1311.9,1973 ccw(c-1311.9,1991.9) v1@-1298.54,1978.54 ; -1311.9,1973 ccw(c-1311.9,1991.9) v1@-1298.54,1978.54 ; -1311.9,1973 ccw(c-1311.9,1991.9) v1@-1298.54,1978.54
  Mid-Layer 2 w10: v1(-1325,1425) -1325,1950 -1300,1975 v1(-1295,1975) ; v1@-1328.54,1428.54 ccw(c-1337.07,1437.07) -1325,1437.07 ; v1@-1328.54,1428.54 ccw(c-1337.07,1437.07) -1325,1437.07 ; v1@-1328.54,1428.54 ccw(c-1337.07,1437.07) -1325,1437.07 ; v1@-1328.54,1428.54 ccw(c-1337.07,1437.07) -1325,1437.07 ; -1325,1437.07 ccw(c-1312.93,1437.07) v1@-1321.46,1428.54 ; -1325,1437.07 ccw(c-1312.93,1437.07) v1@-1321.46,1428.54 ; -1325,1437.07 ccw(c-1312.93,1437.07) v1@-1321.46,1428.54 ; -1325,1437.07 ccw(c-1312.93,1437.07) v1@-1321.46,1428.54 ; -1312.07,1962.93 cw(c-1295,1945.86) v1@-1295,1970 ; -1312.07,1962.93 cw(c-1295,1945.86) v1@-1295,1970 ; -1312.07,1962.93 cw(c-1295,1945.86) v1@-1295,1970 ; -1312.07,1962.93 cw(c-1295,1945.86) v1@-1295,1970
NetU205_4: U205.4 U600.81 | length 231.3
  Top Layer w10: U600.81@-1334.84,989.68 -1275,929.84 -1275,840 -1257.16,822.16 U205.4@-1225.59,822.16